# Altium PCB VOU_SOM_CV_V0.0.1.PcbDoc (part 2 of 4) (continued)
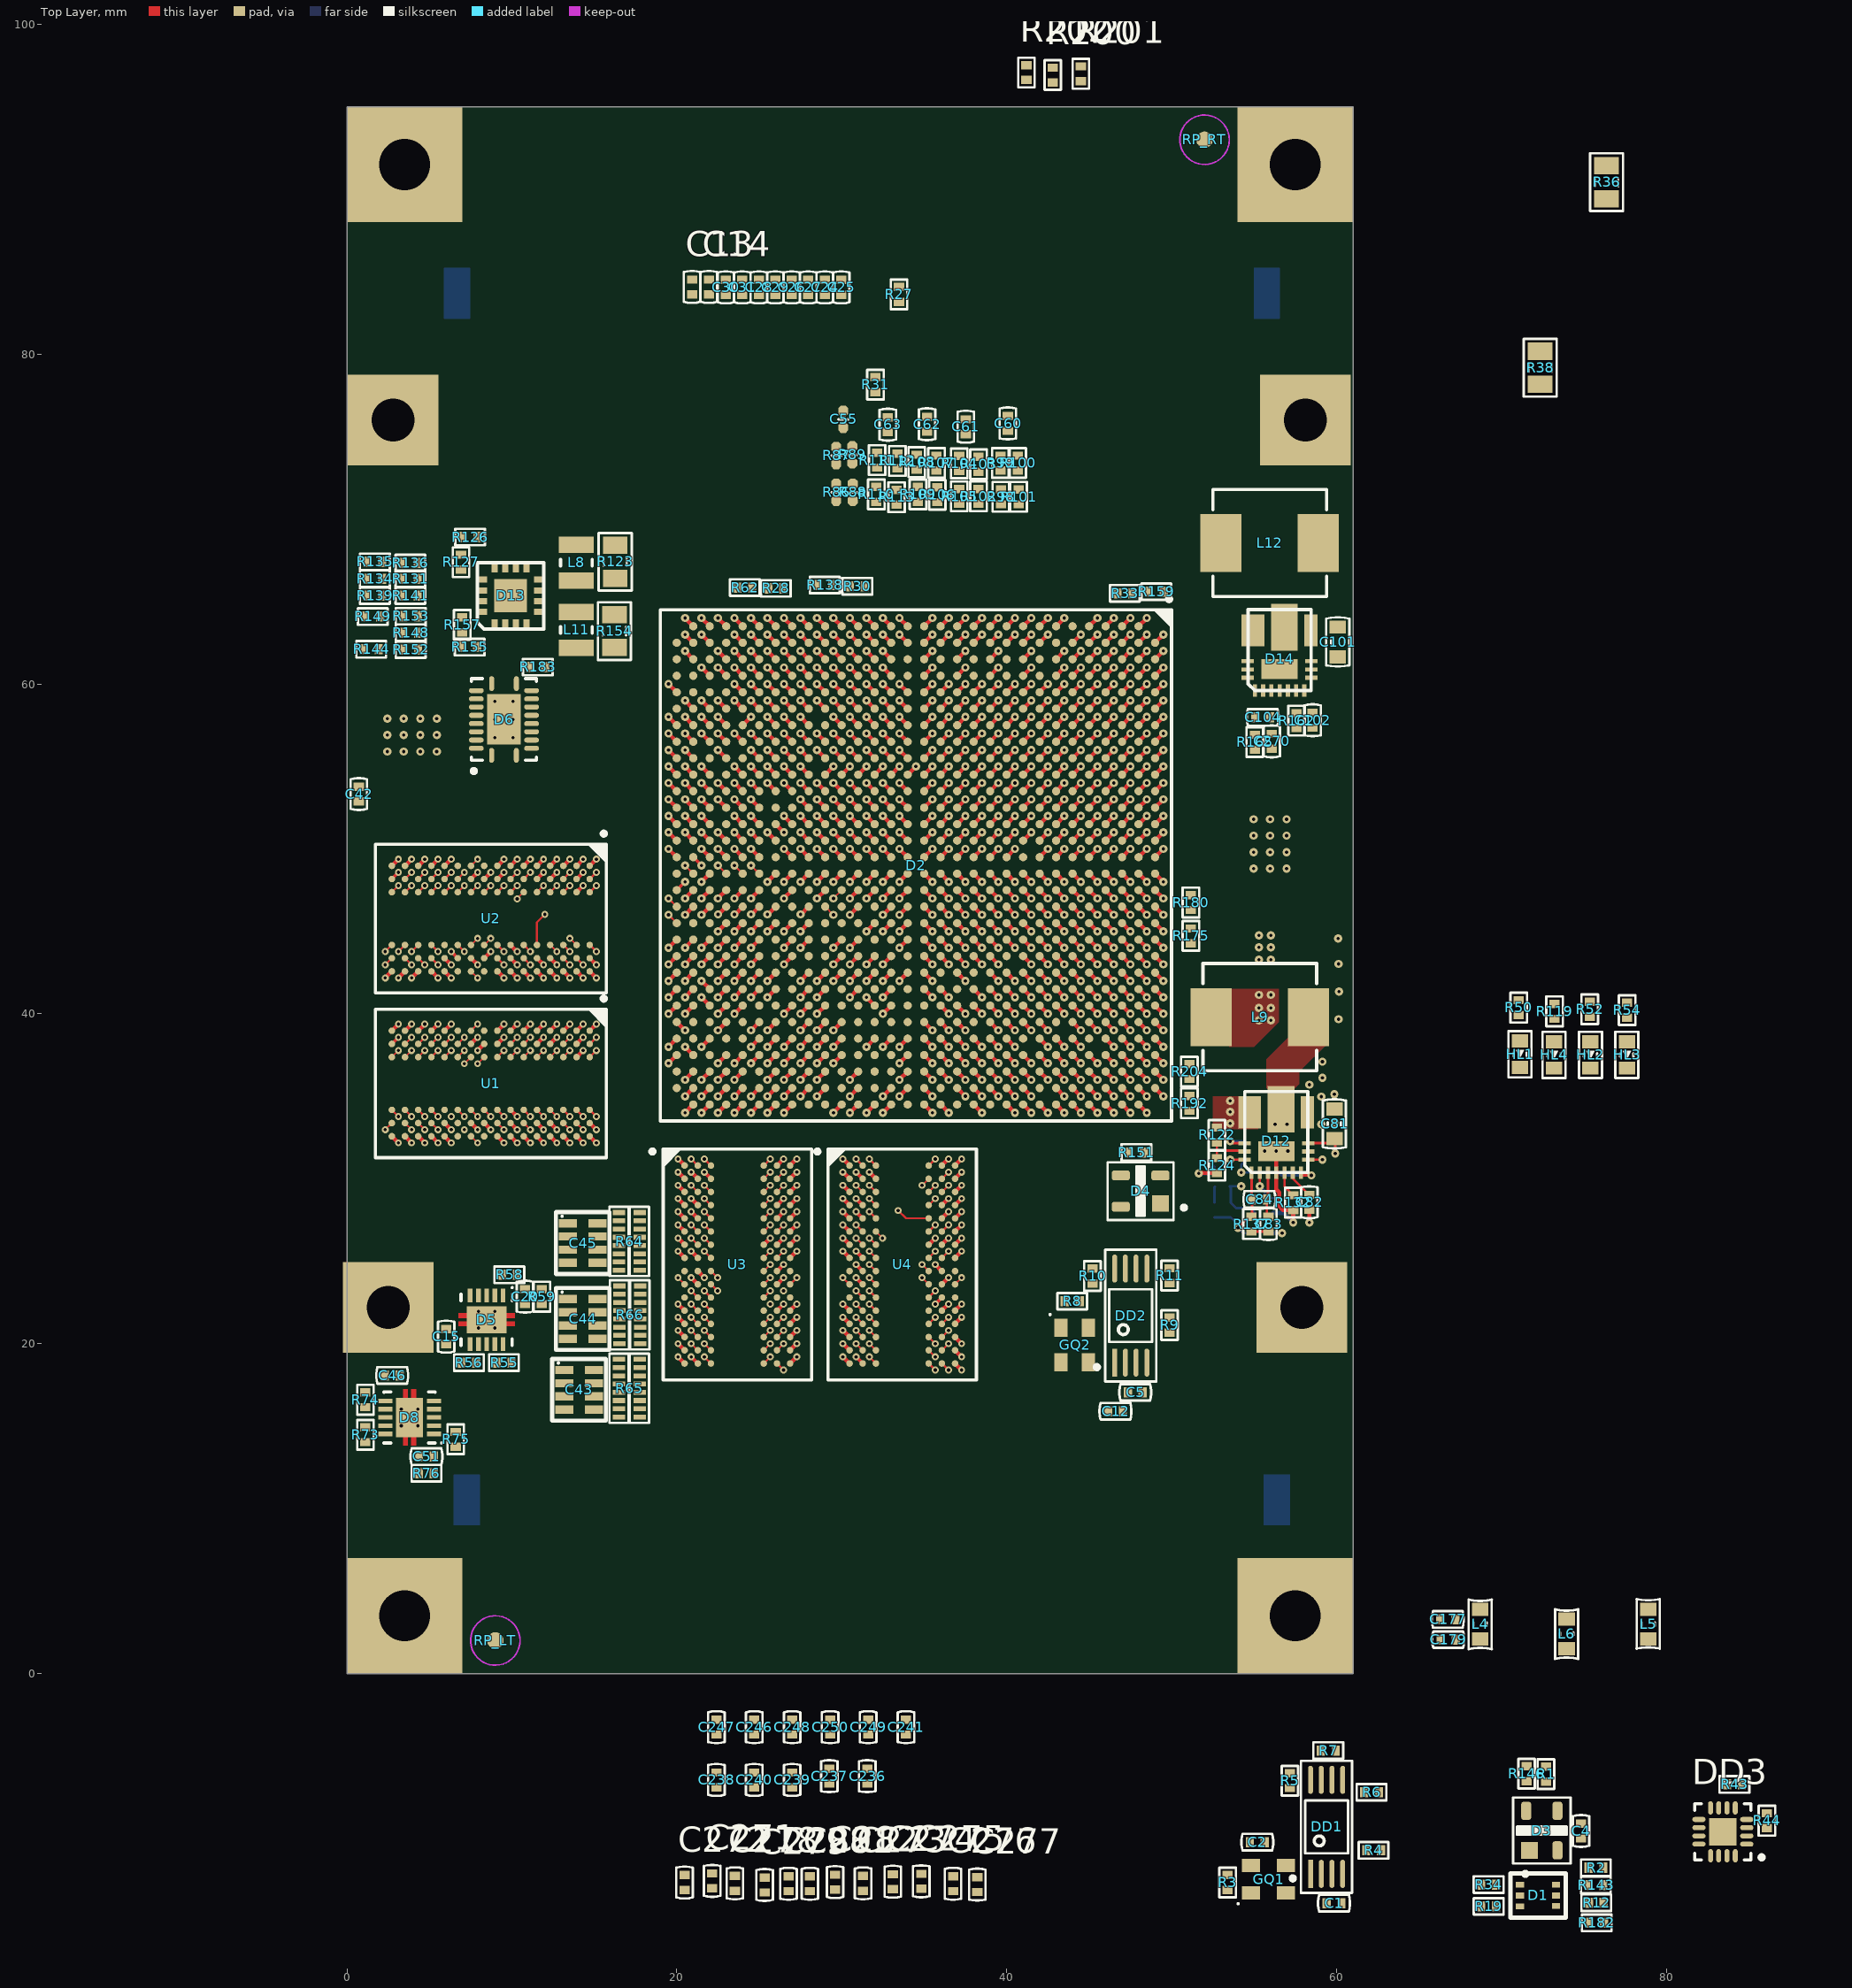
[diagram p0: Top Layer view]
## Footprints (in the part's own frame and the unit in brackets; to place one, negate y for a bottom-side part, rotate by r counter-clockwise, add the part's x,y. Pads: shape width x height; smd on the part's side, far side on the other; paste and mask are expansions set on the pad) (continued)
  Top Layer region: -25.35,-1.55 -25.35,1.55 -23.75,1.55 -23.75,-1.55
  Top Layer region: 23.75,-1.55 23.75,1.55 25.35,1.55 25.35,-1.55
  silkscreen extent -24.55,-4.82 24.55,4.27, body extent -24.55,-3.65 24.55,3.65, height 3.17
IHPL2525 [mm]
  rect 2.5x3.5 smd: 1(-2.95,0) 2(2.95,0)
  silkscreen extent -3.45,-3.25 3.45,3.25, body extent -3.43,-3.23 3.43,3.23, height 3
INDC2720X12L [mm]
  rect 0.99x2.12 smd: 1(-1.085,0) 2(1.085,0)
  silkscreen extent -0.2,-0.96 0.2,0.96, body extent -1.4,-1.1 1.4,1.1, height 1.2
IR3859 [mm]
  rect 0.75x0.25 smd: 1(0,0) 2(0,-0.5) 3(0,-1) 4(0,-1.5) 5(0,-2) 6(0,-2.5) 7(0,-3)
  rect 0.25x0.75 smd: 8(0.78,-3.425) 9(1.28,-3.425) 10(1.78,-3.425) 14(1.78,0.425) 15(1.28,0.425) 16(0.78,0.425)
  rect 1.95x0.8 smd: 11(3.65,-3.395)
  rect 2.82x1.62 smd: 12(3.84,-1.785)
  rect 1.95x1.37 smd: 13(3.65,0.115)
  rect 1.2x2.19 smd: 17(1.3,-1.5)
  silkscreen extent 0,-3.41 4.91,0.41, body extent 0,-3.41 4.91,0.43, height 1
LED0603_GREEN [mm]
  rect 0.8x1 smd: 1(-0.8,0) 2(0.8,0)
  silkscreen extent -1.4,-0.7 1.4,0.7, body extent -0.81,-0.4 0.81,0.4, height 1.1
LED0603_RED [mm]
  rect 0.8x1 smd: 1(-0.8,0) 2(0.8,0)
  silkscreen extent -1.4,-0.7 1.4,0.7, body extent -0.81,-0.4 0.81,0.4, height 1.1
LED0603_YELLOW [mm]
  rect 0.8x1 smd: 1(-0.8,0) 2(0.8,0)
  silkscreen extent -1.4,-0.7 1.4,0.7, body extent -0.81,-0.4 0.81,0.4, height 1.1
MICT-HA-96 [mm]
  round 0.4 smd: A1(-3.2,6) A2(-2.4,6) A3(-1.6,6) A7(1.6,6) A8(2.4,6) A9(3.2,6) B1(-3.2,5.2) B2(-2.4,5.2) B3(-1.6,5.2) B7(1.6,5.2) B8(2.4,5.2) B9(3.2,5.2) C1(-3.2,4.4) C2(-2.4,4.4) C3(-1.6,4.4) C7(1.6,4.4) C8(2.4,4.4) C9(3.2,4.4) D1(-3.2,3.6) D2(-2.4,3.6) D3(-1.6,3.6) D7(1.6,3.6) D8(2.4,3.6) D9(3.2,3.6) E1(-3.2,2.8) E2(-2.4,2.8) E3(-1.6,2.8) E7(1.6,2.8) E8(2.4,2.8) E9(3.2,2.8) F1(-3.2,2) F2(-2.4,2) F3(-1.6,2) F7(1.6,2) F8(2.4,2) F9(3.2,2) G1(-3.2,1.2) G2(-2.4,1.2) G3(-1.6,1.2) G7(1.6,1.2) G8(2.4,1.2) G9(3.2,1.2) H1(-3.2,0.4) H2(-2.4,0.4) H3(-1.6,0.4) H7(1.6,0.4) H8(2.4,0.4) H9(3.2,0.4) J1(-3.2,-0.4) J2(-2.4,-0.4) J3(-1.6,-0.4) J7(1.6,-0.4) J8(2.4,-0.4) J9(3.2,-0.4) K1(-3.2,-1.2) K2(-2.4,-1.2) K3(-1.6,-1.2) K7(1.6,-1.2) K8(2.4,-1.2) K9(3.2,-1.2) L1(-3.2,-2) L2(-2.4,-2) L3(-1.6,-2) L7(1.6,-2) L8(2.4,-2) L9(3.2,-2) M1(-3.2,-2.8) M2(-2.4,-2.8) M3(-1.6,-2.8) M7(1.6,-2.8) M8(2.4,-2.8) M9(3.2,-2.8) N1(-3.2,-3.6) N2(-2.4,-3.6) N3(-1.6,-3.6) N7(1.6,-3.6) N8(2.4,-3.6) N9(3.2,-3.6) P1(-3.2,-4.4) P2(-2.4,-4.4) P3(-1.6,-4.4) P7(1.6,-4.4) P8(2.4,-4.4) P9(3.2,-4.4) R1(-3.2,-5.2) R2(-2.4,-5.2) R3(-1.6,-5.2) R7(1.6,-5.2) R8(2.4,-5.2) R9(3.2,-5.2) T1(-3.2,-6) T2(-2.4,-6) T3(-1.6,-6) T7(1.6,-6) T8(2.4,-6) T9(3.2,-6)
  silkscreen extent -5.27,-7 4.5,7, body extent -4.5,-7 4.5,7, height 0.1
QFN50P300X300X100_HS-17N [mm] "QFN, 16-Leads, Body 3,00x3,00mm, Pitch 0,50mm, Thermal Pad 1,68x1,68mm, IPC Medium Density"
  oval 0.8x0.3 smd: 1(-1.45,0.75) 2(-1.45,0.25) 3(-1.45,-0.25) 4(-1.45,-0.75) 9(1.45,-0.75) 10(1.45,-0.25) 11(1.45,0.25) 12(1.45,0.75)
  oval 0.3x0.8 smd: 5(-0.75,-1.45) 6(-0.25,-1.45) 7(0.25,-1.45) 8(0.75,-1.45) 13(0.75,1.45) 14(0.25,1.45) 15(-0.25,1.45) 16(-0.75,1.45)
  rect 1.68x1.68 smd: 17(0,0)
  silkscreen extent -2.48,-1.7 1.7,1.7, body extent -1.55,-1.55 1.55,1.55, height 1
QFN50P450X350X100_HS-21N [mm]
  oval 0.9x0.3 smd: 1(-2.175,0.75) 2(-2.175,-0.75) 11(2.175,-0.75) 12(2.175,0.75)
  oval 0.3x0.9 smd: 3(-1.75,-1.675) 4(-1.25,-1.675) 5(-0.75,-1.675) 6(-0.25,-1.675) 7(0.25,-1.675) 8(0.75,-1.675) 9(1.25,-1.675) 10(1.75,-1.675) 13(1.75,1.675) 14(1.25,1.675) 15(0.75,1.675) 16(0.25,1.675) 17(-0.25,1.675) 18(-0.75,1.675) 19(-1.25,1.675) 20(-1.75,1.675)
  rect 3.05x2.05 smd: 21(0,0)
  silkscreen extent -3.25,-1.97 2.48,1.97, body extent -2.32,-1.83 2.33,1.83, height 1
Reper-Normal [mm]
  round 1 smd mask+1: 0(0,0)
  Top Layer keep-out circle w0.1: c0,0 r1.5
RT8012AGQW [mm]
  rect 0.6x0.38 smd: 1(-0.1,0) 2(-0.1,-0.65) 3(-0.1,-1.3) 4(-0.1,-1.95) 9(3.35,-1.95) 10(3.35,-1.3) 11(3.35,-0.65) 12(3.35,0)
  rect 0.38x0.6 smd: 5(0.65,-2.7) 6(1.3,-2.7) 7(1.95,-2.7) 8(2.6,-2.7) 13(2.6,0.75) 14(1.95,0.75) 15(1.3,0.75) 16(0.65,0.75)
  rect 2x2 smd: 17(1.625,-0.975)
  silkscreen extent -0.39,-2.99 3.63,1.04, body extent -0.4,-2.99 3.63,1.05, height 0.8
SON127P800X80_HS-9N [mm]
  rect 1.05x0.4 smd: 1(-3.87,1.905) 2(-3.87,0.635) 3(-3.87,-0.635) 4(-3.87,-1.905) 5(3.87,-1.905) 6(3.87,-0.635) 7(3.87,0.635) 8(3.87,1.905)
  rect 3.4x4.3 smd paste-1.7: 9(0,0)
  silkscreen extent -4.7,-3.25 4.25,3.3, body extent -4.1,-3.1 4.1,3.1, height 0.8
SOT-143 [mm]
  rect 1x1 smd: 1(-1.2,0.75)
  rrect50% 1.1x0.6 smd: 2(-1.2,-0.95) 3(1.2,-0.95) 4(1.2,0.95)
  silkscreen extent -2.75,-1.75 2,1.75, body extent -1.25,-1.5 1.25,1.5, height 1.1
TI-DRC10-2400X1650TP_V [mm]
  rect 0.85x0.28 smd: 1(-1.475,1) 2(-1.475,0.5) 3(-1.475,0) 4(-1.475,-0.5) 5(-1.475,-1) 6(1.475,-1) 7(1.475,-0.5) 8(1.475,0) 9(1.475,0.5) 10(1.475,1)
  rect 1.65x2.4 smd: 11(0,0)
  Top Layer region: 0.11,1.2 0.11,1.7 0.39,1.7 0.39,1.2
  Top Layer region: -0.11,-1.2 -0.11,-1.7 -0.39,-1.7 -0.39,-1.2
  Top Layer region: 0.11,-1.2 0.11,-1.7 0.39,-1.7 0.39,-1.2
  Top Layer region: -0.11,1.2 -0.11,1.7 -0.39,1.7 -0.39,1.2
  silkscreen extent -2,-1.55 1.55,1.6, body extent -1.5,-1.5 1.5,1.5, height 1
TSSOP-8 [mm] "TSOP, 8-Leads, Body 3.0x4.4mm, Pitch 0.65mm, IPC Medium Density"
  rect 1.7x0.3 smd: 1(-2.85,0.975)
  oval 1.7x0.3 smd: 2(-2.85,0.325) 3(-2.85,-0.325) 4(-2.85,-0.975) 5(2.85,-0.975) 6(2.85,-0.325) 7(2.85,0.325) 8(2.85,0.975)
  silkscreen extent -4,-1.55 4,2.17, body extent -3.2,-1.5 3.2,1.5, height 1.2
YC248 [mm] "8 chip array resistor pitch 0.5mm"
  rect 0.3x0.75 smd mask+0.05: 1(-1.75,-0.625) 2(-1.25,-0.625) 3(-0.75,-0.625) 4(-0.25,-0.625) 5(0.25,-0.625) 6(0.75,-0.625) 7(1.25,-0.625) 8(1.75,-0.625) 9(1.75,0.625) 10(1.25,0.625) 11(0.75,0.625) 12(0.25,0.625) 13(-0.25,0.625) 14(-0.75,0.625) 15(-1.25,0.625) 16(-1.75,0.625)
  silkscreen extent -2.1,-1.2 2.1,1.2, body extent -2,-0.8 2,0.8, height 0.45

## Part data
C1 C2 C3 C4 C5 C9 C10 C11 C12 C13 C14 C15 C16 C17 C18 C19 C20 C24 C25 C26 C27 C28 C29 C30 C31 C34 C35 C42 C46 C47 C48 C49 C50 C51 C52 C53 C54 C55 C56 C57 C60 C61 C62 C63 C64 C70 C74 C82 C83 C84 C93 C94 C102 C103 C104 C105 C106 C107 C108 C109 C110 C111 C112 C113 C114 C115 C116 C117 C118 C119 C120 C121 C122 C123 C124 C125 C126 C127 C128 C129 C130 C131 C132 C133 C134 C135 C136 C137 C138 C139 C140 C141 C142 C143 C144 C145 C146 C147 C148 C149 C150 C151 C152 C153 C154 C155 C156 C157 C158 C159 C160 C161 C164 C165 C166 C167 C168 C169 C170 C171 C172 C173 C174 C175 C176 C177 C178 C179 C180 C181 C182 C183 C184 C185 C186 C187 C188 C189 C190 C191 C192 C193 C194 C195 C196 C197 C198 C199 C200 C201 C206 C207 C208 C209 C210 C211 C212 C213 C214 C215 C216 C217 C218 C219 C220 C221 C222 C223 C224 C225 C226 C227 C228 C229 C230 C231 C232 C233 C234 C235 C236 C237 C238 C239 C240 C241 C242 C243 C244 C245 C246 C247 C248 C249 C250 C251 C252 C253 C254 C255 C256 C257 C258 C259 C260 C261 C262 C263 C264 C265 C266 C267 C269 C270 C271 C272 C273 C274 C275 C276 C277 C278 C279 C280 C281 C282: library part CC0402-X7R-#-20%-10В, "Чип конденсатор керамический"
C6 C7 C8 C43 C44 C45: "Чип конденсатор керамический"
C68 C69 C72 C73 C75 C76 C77 C78 C79 C80 C81 C87 C88 C89 C90 C91 C92 C95 C96 C97 C98 C99 C100 C101 C162 C163 C268: library part CC0603-X5R-#-20%-6,3В, "Чип конденсатор керамический"
C202 C203 C204 C205: library part CC0805-X7R-#-20%-25В, "Чип конденсатор керамический"
D1: library part IC_TI_SN74LVC2G07, "Dual Buffer and Driver With Open-Drain Outputs"
D2: "Cyclone V SX Family FPGA, 1.07 to 1.13 V Supply, 288 I/O Pins, 6 PLLs, 896-Pin FBGA, Speed Grade 7, Industrial Grade, RoHS Compliant"
D3 D4: library part IC_AD_ADM811TARTZ, "Microprocessor Supervisory Circuit in 3-Pin SOT-23"
D5 D8: "Single Output LDO, 3 A, 2.375 to 3.5 V Input, with DDR Termination, 10-pin SON (DRC), -40 to 85 degC, Green (RoHS & no Sb/Br)"
D6: "8-Bit Bidirectional Voltage-Level Translator with Auto Direction Sensing and +/-15-kV ESD Protect, VQFN-20 LARGE T&R"
D7 D9: "512 Mb (x1/x2/x4) Serial NOR Flash Memory with Multi I/O, 108 MHz, 2.7 to 3.6 V, 16-pin SO16 Wide (SF), Tape & Reel"
D12 D14: library part IR3859MPbF, "IC REG BUCK ADJ 9A SYNC 17PQFN"
DD1 DD2: "High-Performance  Clock Buffer 1:4"
DD3: "Dual 1:2 Low Additive Jitter LVDS Buffer"
GQ1 GQ2: library part OSC-ABRCN-ASE3, "Dual High Side Switch With OC_DET 500mA/CH"
HL1: "Светодиод красный SMD0603"
HL2: "Светодиод желтый SMD0603"
HL3 HL4: "Светодиод зеленый SMD0603"
L1 L2: library part BLM21, "Чип индуктивность подавления EMP"
L3 L4 L5 L6 L13: library part BLM18, "Чип индуктивность подавления EMP"
L8 L11: library part L_VISH_IIHHP1008ABE_1, "FIXED IND 1.5UH 2.4A 96 MOHM SMD"
L9 L12: library part L_VISH_IHLP2525CZERR68M01, "FIXED IND 680NH 15.5A 5.5 MOHM"
R1 R2 R3 R4 R5 R6 R7 R8 R9 R10 R11 R12 R13 R18 R19 R27 R28 R30 R31 R32 R33 R34 R35 R37 R39 R43 R44 R45 R47 R48 R49 R50 R51 R52 R53 R54 R55 R56 R57 R58 R59 R62 R63 R67 R68 R69 R70 R71 R72 R73 R74 R75 R76 R77 R78 R79 R80 R81 R82 R83 R84 R85 R86 R87 R88 R89 R90 R91 R92 R93 R94 R95 R96 R97 R98 R99 R100 R101 R102 R103 R104 R105 R106 R107 R108 R109 R110 R111 R112 R113 R114 R115 R116 R117 R118 R119 R120 R131 R134 R135 R136 R138 R139 R141 R143 R144 R146 R147 R148 R149 R150 R151 R152 R153 R168 R174 R175 R176 R177 R178 R179 R180 R181 R182 R183 R184 R185 R186 R187 R190 R191 R192 R193 R194 R195 R196 R197 R198 R199 R200 R201 R202 R204: library part CR0402-#-±5%, "Чип резистор"
R14 R15 R16 R17 R20 R21 R22 R23 R24 R25 R26 R29 R40 R41 R42 R64 R65 R66: library part YC248-JR-07-#, "Набор чип резисторов"
R36 R38 R121 R123 R125 R154 R156 R158: library part CR0805-#-±5%, "Чип резистор"
R122 R124 R126 R127 R128 R129 R130 R132 R133 R137 R140 R142 R145 R155 R157 R159 R160 R161 R162 R164 R165 R166 R167: library part CR0402-#-±1%, "Чип резистор"
RP_BL RP_BR RP_LT RP_RT: library part Reper, "Стабилизатор положительного напряжения"
U1 U2 U3 U4: "4Gb DDR3-1600 SDRAM, 256Mb x 16, 1.25ns, 1.35V, -40 to 95 degC, 96-Ball FBGA, Pb-Free"

## Free pads (board coordinates)
  rect 5.5x5.5 hole 2.6: 1(2.8,76) 2(2.5,22.2) 3(57.9,22.2) 4(58.125,76)
  rect 7x7 hole 3.1: 1(3.5,91.5) 2(3.5,3.5) 3(57.5,3.5) 4(57.5,91.5)

## Via types
v1: diameter 0.5, hole 0.2, Top Layer to Bottom Layer, 875 vias
v2: diameter 0.42, hole 0.2, Top Layer to Bottom Layer, 366 vias

## Nets (pads, with @x,y where several pads share a name; then routed paths per layer and width w, separated by ;. In a path a pad name is that pad's centre, name@x,y a point inside that pad or via, vN(x,y) a via of type N, cw(c..) or ccw(c..) an arc to the next point about the centre after c; other vN are vias at no path point)
1V1_PEN: D14.15 R135.2
1V1_POK: D14.8 R149.1
1V5_PEN: D13.15 R141.2
1V5_POK: D13.13 R153.1
2V5_PEN: D13.11 R136.2
2V5_POK: D13.1 R152.1
3V3_POK: D12.8 R134.1 | length 0.9
  Top Layer w0.15: D12.8@58.275,31.155 59.145,31.155 v1(59.15,31.15)
CVP_CD: D2.AH29 R51.2 | length 0.7
  Top Layer w0.25: v1(21.5,35) D2.AH29@22,35.5
DBG_LED#0: D2.AG27 HL1.2 | length 0.7
  Top Layer w0.25: v1(22.5,37) D2.AG27@23,37.5
DBG_LED#1: D2.AJ29 HL2.2 | length 0.7
  Top Layer w0.25: v1(20.5,35) D2.AJ29@21,35.5
DBG_LED#2: D2.AC28 D2.AE26 HL3.2 | length 1.4
  Top Layer w0.25: v1(24.5,38) D2.AE26@25,38.5 ; v1(26.5,36) D2.AC28@27,36.5
DBG_LED#3: D2.AC29 D2.AD7 HL4.2 | length 1.4
  Top Layer w0.25: v1(25.5,58) D2.AD7@26,57.5 ; v1(26.5,35) D2.AC29@27,35.5
DDR3_VREF_FPGA: C15.1 C167.1 D2.AJ15 D2.AK17 D5.6 U1.H1 U1.M8 U2.H1 U2.M8 | length 3.7
  Top Layer w0.2: D2.AK17@20,47.5 v1(20.5,48) ; D2.AJ15@21,49.5 v1(21.5,49)
  Top Layer w0.25: U1.M8@5.925,33.375 v2(6.325,32.975) ; U2.M8@5.925,43.375 v2(6.325,42.975) ; U1.H1@9.125,38.975 v2(9.525,39.375) ; U2.H1@9.125,48.975 v2(9.525,49.375)
DDR3_VREF_HPS: C46.1 D2.G27 D2.U30 D8.6 U3.H1 U3.M8 U4.H1 U4.M8 | length 3.7
  Top Layer w0.25: v2(20.075,25.6) U3.H1@20.475,25.2 ; U3.M8@26.075,22 v2(26.475,22.4) ; v2(30.075,25.6) U4.H1@30.475,25.2 ; v1(32.5,34) D2.U30@33,34.5 ; U4.M8@36.075,22 v2(36.475,22.4) ; D2.G27@43,37.5 v1(43.5,37)
DDR3_VTT_FPGA: C6.5 C6.6 C6.7 C6.8 C7.5 C7.6 C7.7 C7.8 C8.5 C8.6 C8.7 C8.8 C17.1 C18.1 D5.3 D5.5 R40.9 R40.10 R40.11 R40.12 R40.13 R40.14 R40.15 R40.16 R41.9 R41.10 R41.11 R41.12 R41.13 R41.14 R41.15 R41.16 R42.9 R42.10 R42.11 R42.12 R42.13 R42.14 R42.15 R42.16
DDR3_VTT_HPS: C43.5 C43.6 C43.7 C43.8 C44.5 C44.6 C44.7 C44.8 C45.5 C45.6 C45.7 C45.8 C48.1 C49.1 D8.3 D8.5 R64.9 R64.10 R64.11 R64.12 R64.13 R64.14 R64.15 R64.16 R65.9 R65.10 R65.11 R65.12 R65.13 R65.14 R65.15 R65.16 R66.9 R66.10 R66.11 R66.12 R66.13 R66.14 R66.15 R66.16
DEV_CLR: D2.AD27 R143.2 | length 0.7
  Top Layer w0.25: v1(25.5,37) D2.AD27@26,37.5
EPCQ_CK: D2.U7 D6.7 | length 0.7
  Top Layer w0.25: v1(32.5,58) D2.U7@33,57.5
EPCQ_CK_: D6.14 R191.2
EPCQ_CS#: D2.AB8 D6.6 | length 0.7
  Top Layer w0.25: v1(27.5,57) D2.AB8@28,56.5
EPCQ_CS#_: D6.15 D7.1
EPCQ_D0: D2.AE6 D6.1 | length 0.7
  Top Layer w0.25: v1(24.5,59) D2.AE6@25,58.5
EPCQ_D0_: D6.20 D7.5
EPCQ_D1: D2.AE5 D6.3 | length 0.7
  Top Layer w0.25: v1(24.5,60) D2.AE5@25,59.5
EPCQ_D1_: D6.18 D7.7
EPCQ_D2: D2.AE8 D6.4 | length 0.7
  Top Layer w0.25: v1(24.5,57) D2.AE8@25,56.5
EPCQ_D2_: D6.17 D7.3
EPCQ_D3: D2.AC7 D6.5 | length 0.7
  Top Layer w0.25: v1(26.5,58) D2.AC7@27,57.5
EPCQ_D3_: D6.16 D7.2
EXT_PEN: R139.1 X1.117
EXT_RST#: R1.1 R146.1 X1.115
FPGA_CFG2V5_IO_0: D2.A4 R29.9 | length 0.7
  Top Layer w0.25: D2.A4@49,60.5 v1(49.5,61)
FPGA_CFG2V5_IO_1: D2.A3 R29.10 | length 0.7
  Top Layer w0.25: D2.A3@49,61.5 v1(49.5,62)
FPGA_CFG2V5_IO_2: D2.D6 R29.11 | length 0.7
  Top Layer w0.25: D2.D6@46,58.5 v1(46.5,59)
FPGA_CFG2V5_IO_3: D2.C5 R29.12 | length 0.7
  Top Layer w0.25: D2.C5@47,59.5 v1(47.5,60)
FPGA_CFG2V5_IO_4: D2.D5 R29.13 | length 0.7
  Top Layer w0.25: D2.D5@46,59.5 v1(46.5,60)
FPGA_CFG2V5_IO_5: D2.C4 R29.14 | length 0.7
  Top Layer w0.25: D2.C4@47,60.5 v1(47.5,61)
FPGA_CFG2V5_IO_6: D2.E8 R29.15 | length 0.7
  Top Layer w0.25: D2.E8@45,56.5 v1(45.5,57)
FPGA_CFG2V5_IO_7: D2.D7 R29.16 | length 0.7
  Top Layer w0.25: D2.D7@46,57.5 v1(46.5,58)
FPGA_CFG2V5_IO_8: D2.B2 R21.9 | length 0.7
  Top Layer w0.25: D2.B2@48,62.5 v1(48.5,63)
FPGA_CFG2V5_IO_9: D2.B1 R21.10 | length 0.7
  Top Layer w0.25: D2.B1@48,63.5 v1(48.5,64)
FPGA_CFG2V5_IO_10: D2.C3 R21.11 | length 0.7
  Top Layer w0.25: D2.C3@47,61.5 v1(47.5,62)
FPGA_CFG2V5_IO_11: D2.B3 R21.12 | length 0.7
  Top Layer w0.25: D2.B3@48,61.5 v1(48.5,62)
FPGA_CFG2V5_IO_12: D2.D2 R21.13 | length 0.7
  Top Layer w0.25: D2.D2@46,62.5 v1(46.5,63)
FPGA_CFG2V5_IO_13: D2.C2 R21.14 | length 0.7
  Top Layer w0.25: D2.C2@47,62.5 v1(47.5,63)
FPGA_CFG2V5_IO_14: D2.E4 R21.15 | length 0.7
  Top Layer w0.25: D2.E4@45,60.5 v1(45.5,61)
FPGA_CFG2V5_IO_15: D2.D4 R21.16 | length 0.7
  Top Layer w0.25: D2.D4@46,60.5 v1(46.5,61)
FPGA_CFG2V5_IO_16: D2.E3 R26.9 | length 0.7
  Top Layer w0.25: D2.E3@45,61.5 v1(45.5,62)
FPGA_CFG2V5_IO_17: D2.E2 R26.10 | length 0.7
  Top Layer w0.25: D2.E2@45,62.5 v1(45.5,63)
FPGA_CFG2V5_IO_18: D2.E1 R26.11 | length 0.7
  Top Layer w0.25: D2.E1@45,63.5 v1(45.5,64)
FPGA_CFG2V5_IO_19: D2.D1 R26.12 | length 0.7
  Top Layer w0.25: D2.D1@46,63.5 v1(46.5,64)
FPGA_CFG2V5_IO_20: D2.E7 R26.13 | length 0.7
  Top Layer w0.25: D2.E7@45,57.5 v1(45.5,58)
FPGA_CFG2V5_IO_21: D2.E6 R26.14 | length 0.7
  Top Layer w0.25: D2.E6@45,58.5 v1(45.5,59)
FPGA_CFG2V5_IO_22: D2.G7 R26.15 | length 0.7
  Top Layer w0.25: D2.G7@43,57.5 v1(43.5,58)
FPGA_CFG2V5_IO_23: D2.F6 R26.16 | length 0.7
  Top Layer w0.25: D2.F6@44,58.5 v1(44.5,59)
FPGA_CFG2V5_IO_24: D2.AF29 R20.8 | length 0.7
  Top Layer w0.25: v1(23.5,35) D2.AF29@24,35.5
FPGA_CFG2V5_IO_25: D2.AF30 R20.7 | length 0.7
  Top Layer w0.25: v1(23.5,34) D2.AF30@24,34.5
FPGA_CFG2V5_IO_26: D2.AA25 R20.6 | length 0.7
  Top Layer w0.25: v1(28.5,39) D2.AA25@29,39.5
FPGA_CFG2V5_IO_27: D2.AB26 R20.5 | length 0.7
  Top Layer w0.25: v1(27.5,38) D2.AB26@28,38.5
FPGA_CFG2V5_IO_28: D2.AD11 | length 0.7
  Top Layer w0.25: v1(25.5,54) D2.AD11@26,53.5
FPGA_CFG2V5_IO_29: D2.AE12 | length 0.7
  Top Layer w0.25: v1(24.5,53) D2.AE12@25,52.5
FPGA_CFG2V5_IO_30: D2.AC9 | length 0.7
  Top Layer w0.25: v1(26.5,56) D2.AC9@27,55.5
FPGA_CFG2V5_IO_31: D2.AD10 | length 0.7
  Top Layer w0.25: v1(25.5,55) D2.AD10@26,54.5
FPGA_CFG2V5_IO_32: D2.AG1 | length 0.7
  Top Layer w0.25: v1(22.5,64) D2.AG1@23,63.5
FPGA_CFG2V5_IO_33: D2.AH2 | length 0.7
  Top Layer w0.25: v1(21.5,63) D2.AH2@22,62.5
FPGA_CFG2V5_IO_34: D2.AA12 | length 0.7
  Top Layer w0.25: v1(28.5,53) D2.AA12@29,52.5
FPGA_CFG2V5_IO_35: D2.AB12 | length 0.7
  Top Layer w0.25: v1(27.5,53) D2.AB12@28,52.5
FPGA_CFG2V5_IO_36: D2.AJ1 | length 0.7
  Top Layer w0.25: v1(20.5,64) D2.AJ1@21,63.5
FPGA_CFG2V5_IO_37: D2.AJ2 | length 0.7
  Top Layer w0.25: v1(20.5,63) D2.AJ2@21,62.5
FPGA_CFG2V5_IO_38: D2.AD9 | length 0.7
  Top Layer w0.25: v1(25.5,56) D2.AD9@26,55.5
FPGA_CFG2V5_IO_39: D2.AE9 | length 0.7
  Top Layer w0.25: v1(24.5,56) D2.AE9@25,55.5
FPGA_CFG2V5_IO_40: D2.AE11 | length 0.7
  Top Layer w0.25: v1(24.5,54) D2.AE11@25,53.5
FPGA_CFG2V5_IO_41: D2.AF10 | length 0.7
  Top Layer w0.25: v1(23.5,55) D2.AF10@24,54.5
FPGA_CFG2V5_IO_42: D2.AG3 | length 0.7
  Top Layer w0.25: v1(22.5,62) D2.AG3@23,61.5
FPGA_CFG2V5_IO_43: D2.AH4 | length 0.7
  Top Layer w0.25: v1(21.5,61) D2.AH4@22,60.5
FPGA_CFG2V5_IO_44: D2.AF8 | length 0.7
  Top Layer w0.25: v1(23.5,57) D2.AF8@24,56.5
FPGA_CFG2V5_IO_45: D2.AG7 | length 0.7
  Top Layer w0.25: v1(22.5,58) D2.AG7@23,57.5
FPGA_CFG2V5_IO_46: D2.AF6 | length 0.7
  Top Layer w0.25: v1(23.5,59) D2.AF6@24,58.5
FPGA_CFG2V5_IO_47: D2.AG6 | length 0.7
  Top Layer w0.25: v1(22.5,59) D2.AG6@23,58.5
FPGA_CFG2V5_IO_R_0: R29.8 X2.45
FPGA_CFG2V5_IO_R_1: R29.7 X2.47
FPGA_CFG2V5_IO_R_2: R29.6 X2.49
FPGA_CFG2V5_IO_R_3: R29.5 X2.51
FPGA_CFG2V5_IO_R_4: R29.4 X2.55
FPGA_CFG2V5_IO_R_5: R29.3 X2.57
FPGA_CFG2V5_IO_R_6: R29.2 X2.59
FPGA_CFG2V5_IO_R_7: R29.1 X2.61
FPGA_CFG2V5_IO_R_8: R21.8 X2.65
FPGA_CFG2V5_IO_R_9: R21.7 X2.67
FPGA_CFG2V5_IO_R_10: R21.6 X2.69
FPGA_CFG2V5_IO_R_11: R21.5 X2.71
FPGA_CFG2V5_IO_R_12: R21.4 X2.75
FPGA_CFG2V5_IO_R_13: R21.3 X2.77
FPGA_CFG2V5_IO_R_14: R21.2 X2.46
FPGA_CFG2V5_IO_R_15: R21.1 X2.48
FPGA_CFG2V5_IO_R_16: R26.8 X2.50
FPGA_CFG2V5_IO_R_17: R26.7 X2.52
FPGA_CFG2V5_IO_R_18: R26.6 X2.56
FPGA_CFG2V5_IO_R_19: R26.5 X2.58
FPGA_CFG2V5_IO_R_20: R26.4 X2.60
FPGA_CFG2V5_IO_R_21: R26.3 X2.62
FPGA_CFG2V5_IO_R_22: R26.2 X2.66
FPGA_CFG2V5_IO_R_23: R26.1 X2.68
FPGA_CFG2V5_IO_R_24: R20.9 X2.70
FPGA_CFG2V5_IO_R_25: R20.10 X2.72
FPGA_CFG2V5_IO_R_26: R20.11 X2.76
FPGA_CFG2V5_IO_R_27: R20.12 X2.78
FPGA_DDR_A0: D2.AJ14 R40.8 U1.N3 U2.N3 | length 29.4
  Top Layer w0.12: U1.N3@5.125,37.375 v2(5.525,37.775) ; U2.N3@5.125,47.375 v2(5.525,47.775)
  Top Layer w0.25: v1(20.5,51) D2.AJ14@21,50.5
  INT2 w0.1: v2(5.525,37.775) 5.925,38.175 5.925,44.8 5.525,45.2 v2(5.525,47.775) 5.95,48.2 5.95,50.925 8.025,53 18.95,53
FPGA_DDR_A1: D2.AK14 R40.7 U1.P7 U2.P7 | length 12.3
  Top Layer w0.12: v2(3.925,43.775) U2.P7@4.325,44.175 ; U1.P7@4.325,34.175 v2(4.725,33.775)
  Top Layer w0.25: v1(19.5,51) D2.AK14@20,50.5
  INT3 w0.1: 4.35,43.4 4.35,41.45 3.525,40.625 3.525,34.975 v2(4.725,33.775)
FPGA_DDR_A2: D2.AH12 R40.6 U1.P3 U2.P3 | length 33.7
  Top Layer w0.12: U1.P3@4.325,37.375 v2(4.725,37.775) ; U2.P3@4.325,47.375 v2(4.725,47.775)
  Top Layer w0.25: v1(21.5,53) D2.AH12@22,52.5
  INT1 w0.1: 18.2,53.5 21,53.5 v1(21.5,53)
  INT2 w0.1: v2(4.725,37.775) 5.15,38.2 5.15,47.35 v2(4.725,47.775) 5.125,48.175 5.125,50.525 8.1,53.5 18.95,53.5
FPGA_DDR_A3: D2.AJ12 R40.5 U1.N2 U2.N2 | length 19.2
  Top Layer w0.12: U1.N2@5.125,38.175 v2(5.525,38.575) ; U2.N2@5.125,48.175 v2(5.525,48.575)
  Top Layer w0.25: v1(20.5,53) D2.AJ12@21,52.5
  INT1 w0.1: v2(5.525,38.575) 5.125,38.975 5.125,48.175 v2(5.525,48.575) 5.15,48.95 5.15,50.25 5.875,50.975 10,50.975
FPGA_DDR_A4: D2.AG15 R40.4 U1.P8 U2.P8 | length 17.2
  Top Layer w0.12: U1.P8@4.325,33.375 v2(4.725,32.975) ; U2.P8@4.325,43.375 v2(4.725,42.975)
  Top Layer w0.25: v1(22.5,50) D2.AG15@23,49.5
  INT1 w0.1: 18.05,50.55 21.95,50.55 v1(22.5,50)
  INT3 w0.1: v2(4.725,32.975) 5.125,33.375 5.125,34.775 4.3,35.6 4.3,40.475 4.725,40.9 v2(4.725,42.975)
FPGA_DDR_A5: D2.AH15 R40.3 U1.P2 U2.P2 | length 20
  Top Layer w0.12: U1.P2@4.325,38.175 v2(4.725,38.575) ; U2.P2@4.325,48.175 v2(4.725,48.575)
  Top Layer w0.25: v1(21.5,50) D2.AH15@22,49.5
  INT1 w0.1: v2(4.725,38.575) 4.325,38.975 4.325,48.175 v2(4.725,48.575) 4.35,48.95 4.35,49.9 5.725,51.275 10.15,51.275
FPGA_DDR_A6: D2.AK12 R40.2 U1.R8 U2.R8 | length 36.9
  Top Layer w0.12: U1.R8@3.525,33.375 v2(3.925,32.975) ; U2.R8@3.525,43.375 v2(3.925,42.975)
  Top Layer w0.25: v1(19.5,53) D2.AK12@20,52.5
  INT2 w0.1: v2(3.925,32.975) 4.325,33.375 4.325,34.45 3.55,35.225 3.55,42.6 v2(3.925,42.975) 3.55,43.35 3.55,49.875 8.175,54.5 18.95,54.5
FPGA_DDR_A7: D2.AK13 R40.1 U1.R2 U2.R2 | length 16.6
  Top Layer w0.12: U1.R2@3.525,38.175 v2(3.925,38.575) ; U2.R2@3.525,48.175 v2(3.925,48.575)
  Top Layer w0.25: v1(19.5,52) D2.AK13@20,51.5
  INT1 w0.1: v2(3.925,38.575) 3.55,38.95 3.55,48.2 v2(3.925,48.575) 3.5,49 3.5,49.725 5.725,51.95
FPGA_DDR_A8: D2.AH13 R41.7 U1.T8 U2.T8 | length 15.8
  Top Layer w0.12: v2(2.325,32.975) U1.T8@2.725,33.375 ; v2(2.325,42.975) U2.T8@2.725,43.375
  Top Layer w0.25: v1(21.5,52) D2.AH13@22,51.5
  INT1 w0.1: v2(2.325,32.975) 1.85,33.45 1.85,42.5 v2(2.325,42.975) ; 18.1,52.5 21,52.5 v1(21.5,52)
FPGA_DDR_A9: D2.AH14 R41.8 U1.R3 U2.R3 | length 34.6
  Top Layer w0.12: U1.R3@3.525,37.375 v2(3.925,37.775) ; U2.R3@3.525,47.375 v2(3.925,47.775)
  Top Layer w0.25: v1(21.5,51) D2.AH14@22,50.5
  INT1 w0.1: 18,51.5 21,51.5 v1(21.5,51)
  INT2 w0.1: v2(3.925,37.775) 4.3,38.15 4.3,47.4 v2(3.925,47.775) 4.325,48.175 4.325,50.2 8.125,54 18.95,54
FPGA_DDR_A10: D2.AJ9 R41.6 U1.L7 U2.L7 | length 12.2
  Top Layer w0.12: U1.L7@6.725,34.175 v2(7.125,33.775) ; U2.L7@6.725,44.175 v2(7.125,43.775)
  Top Layer w0.25: v1(20.5,56) D2.AJ9@21,55.5
  INT1 w0.1: v2(7.125,33.775) 7.525,34.175 7.525,39.1 7.125,39.5 v2(7.125,43.775)
FPGA_DDR_A11: D2.AK9 R41.5 U1.R7 U2.R7 | length 37
  Top Layer w0.12: v2(3.125,43.775) U2.R7@3.525,44.175 ; U1.R7@3.525,34.175 v2(3.925,33.775)
  Top Layer w0.25: v1(19.5,56) D2.AK9@20,55.5
  INT2 w0.1: v2(3.925,33.775) 2.725,34.975 2.725,43.375 v2(3.125,43.775) 3.125,45.425 2.725,45.825 2.725,49.675 8.05,55 18.95,55
FPGA_DDR_A12: D2.AK7 R41.4 U1.N7 U2.N7 | length 12.2
  Top Layer w0.12: U1.N7@5.125,34.175 v2(5.525,33.775) ; U2.N7@5.125,44.175 v2(5.525,43.775)
  Top Layer w0.25: v1(19.5,58) D2.AK7@20,57.5
  INT3 w0.1: v2(5.525,33.775) 5.525,35.325 5.125,35.725 5.125,43.375 v2(5.525,43.775)
FPGA_DDR_A13: D2.AK8 R41.3 U1.T3 U2.T3 | length 34.2
  Top Layer w0.12: U1.T3@2.725,37.375 v2(3.125,37.775) ; U2.T3@2.725,47.375 v2(3.125,47.775)
  Top Layer w0.25: v1(19.5,57) D2.AK8@20,56.5
  INT1 w0.1: v2(3.125,37.775) 2.725,38.175 2.725,47.375 v2(3.125,47.775) 2.625,48.275 2.625,49.625 7.525,54.525 11.175,54.525 13.65,57 v1(19.5,57)
FPGA_DDR_A14: D2.AG12 R41.2 U1.T7 U2.T7 | length 43.1
  Top Layer w0.12: v2(2.325,43.775) U2.T7@2.725,44.175 ; U1.T7@2.725,34.175 v2(3.125,33.775)
  Top Layer w0.25: v1(22.5,53) D2.AG12@23,52.5
  INT1 w0.1: 18.275,54.525 21.725,54.525 22.025,54.225 22.025,53.475 v1(22.5,53)
  INT2 w0.1: v2(3.125,33.775) 1.925,34.975 1.925,43.375 v2(2.325,43.775) 2,44.1 2,49.55 7.925,55.475 18.95,55.475
FPGA_DDR_BA0: D2.AH10 R41.1 U1.M2 U2.M2 | length 31.1
  Top Layer w0.12: U1.M2@5.925,38.175 v2(6.325,38.575) ; U2.M2@5.925,48.175 v2(6.325,48.575)
  Top Layer w0.25: v1(21.5,55) D2.AH10@22,54.5
  INT1 w0.1: v2(6.325,38.575) 5.925,38.975 5.925,48.175 v2(6.325,48.575) 6.85,49.1 6.85,50.25 7.175,50.575 13.45,50.575 18.375,55.5 21,55.5 v1(21.5,55)
FPGA_DDR_BA1: D2.AJ11 R42.8 U1.N8 U2.N8 | length 12.1
  Top Layer w0.12: U1.N8@5.125,33.375 v2(5.525,32.975) ; U2.N8@5.125,43.375 v2(5.525,42.975)
  Top Layer w0.25: v1(20.5,54) D2.AJ11@21,53.5
  INT3 w0.1: v2(5.525,32.975) 5.9,33.35 5.9,42.6 v2(5.525,42.975)